# KiCad board srvant-mk2.kicad_pcb (continued)
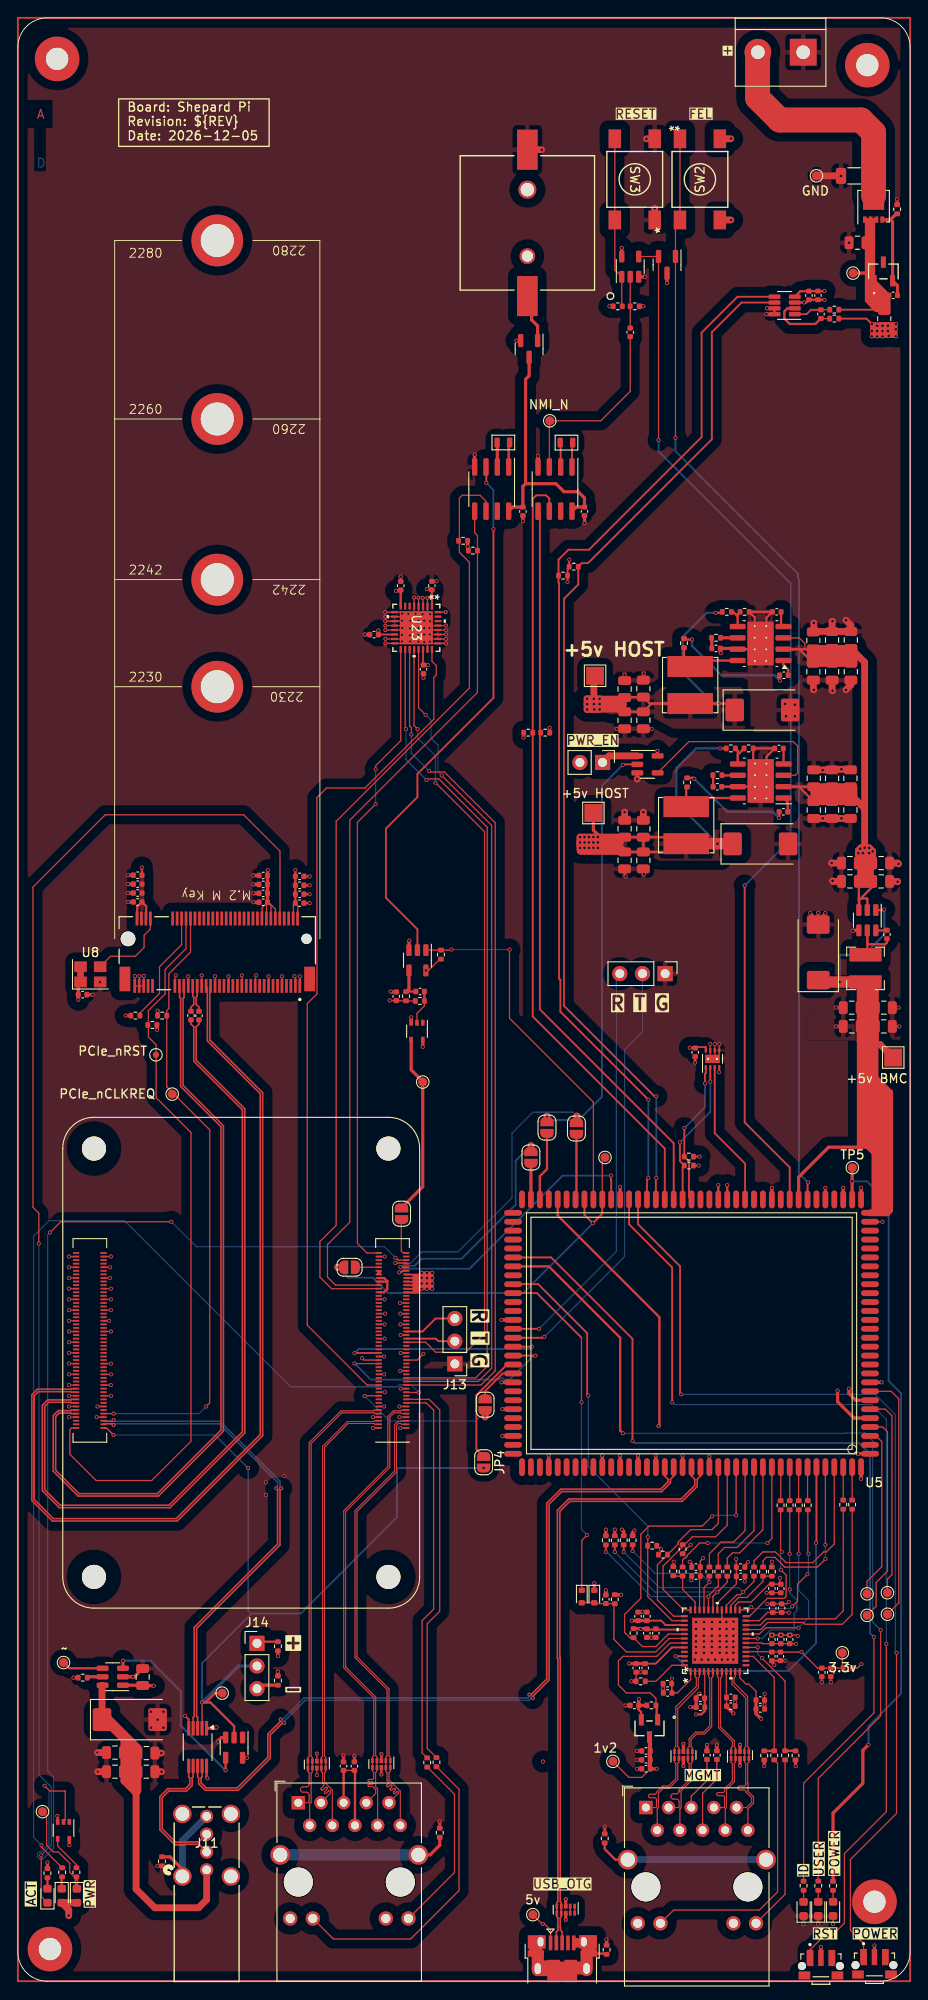
[diagram p0: board, top side]
## Routing (per net, layer and track width the routed paths; a pad name or vN(x,y) marks a point on that pad's centre or on a via; arc(x,y) is an arc through that point) (continued)
/BMC ethernet/CLK125_EN: length 14.8
  Top w0.13: U12.33 76.9,44.1 v1(77.5,44.7) R37.2
  Top w0.199: v1(68.9,48.2) 68.9,48.89
  Bottom w0.13: v1(77.5,44.7) 76.5,45.7 71.4,45.7 v1(68.9,48.2)
/BMC ethernet/LDO_OUT: length 18.4
  Top w0.13: 71.8,29.2 MOSFET1.1 ; U12.43 73.1,37.9 71.6,36.4 67.81,36.4 67.3,35.89 67.3,33.2 68.2,32.3 70.9,32.3 71.51,31.69 R79.2
  Top w0.25: MOSFET1.1 71.6,29.4 71.6,30.81 R79.2
/BMC ethernet/MODE0: length 18.6
  Top w0.13: U12.32 v1(77.4,43.1) 77.4,43.2 78.5,44.3 R38.2
  Top w0.199: v1(65.9,48.1) R30.2
  Bottom w0.13: v1(65.9,48.1) 66,48.1 71,43.1 v1(77.4,43.1)
/BMC ethernet/MODE1: length 19.2
  Top w0.13: 78.6,43.8 79.5,44.7 R39.2 79.5,45.12 ; 78.6,43.8 77.9,43.1 U12.31 ; 78.6,43.8 v1(78.4,43.6)
  Top w0.199: v1(66.9,48.1) R34.2
  Bottom w0.13: v1(66.9,48.1) 71.4,43.6 v1(78.4,43.6)
/BMC ethernet/MODE2: length 21.5
  Top w0.13: U12.28 79.4,42.11 80.59,43.3 81,43.3 82.5,44.8 R40.2
  Top w0.199: R42.2 v1(67.9,48.1)
  Bottom w0.13: 68,48.2 v1(67.9,48.1) 71.9,44.1 80.8,44.1 v1(81.3,43.6)
/BMC ethernet/MODE3: length 6.8
  Top w0.13: U12.27 79.9,42.11 80.79,43 81.7,43 83.52,44.82 R41.2 R50.1
/BMC ethernet/PHY_LED_ACT / PHYAD0: length 15.3
  Top w0.13: v1(83.4,36.2) 85.98,33.62 R17.2 ; U12.17 v1(82.9,37.4) ; 87.14,25.82 R51.2
  Top w0.25: R17.2 87.14,25.82
  Bottom w0.13: v1(82.9,37.4) 82.9,36.7 v1(83.4,36.2)
/BMC ethernet/PHY_LED_LINK / PHYAD1: length 13.5
  Top w0.13: 84.75,25.8 R15.2 84.77,34.03 82.4,36.4 U12.15
  Top w0.25: R44.2 84.75,25.8
/BMC ethernet/PHY_RESET_N: length 16.9
  Top w0.13: D6.2 D5.2 64.7,42.3 66.89,42.3 66.8,42.21 66.8,38.3 68.2,36.9 71.5,36.9 73,38.4 U12.42
/BMC ethernet/PHYAD2: length 5.7
  Top w0.13: R33.1 73.5,45.39 R36.2 ; R36.2 74.5,43.9 75.9,42.5 U12.35 ; R36.2 74.5,45.1
/BMC ethernet/TXRXA_N: length 20.2
  Top w0.116: J5.2 71.66,19.31 71.79,19.44 71.79,21.07 72.36,21.65 72.99,21.65 73.95,22.6 73.95,24.41 74.09,24.55 U11.9 74.09,26.15 73.95,26.29 73.95,30.55 76.26,32.86 76.26,33.99 76.4,34.13 U12.3
/BMC ethernet/TXRXA_P: length 20.2
  Top w0.116: U12.2 75.9,34.13 76.04,33.99 76.04,33.04 73.73,30.73 73.73,26.29 73.59,26.15 U11.10 73.59,24.55 73.73,24.41 73.73,22.69 72.9,21.86 72.27,21.86 71.57,21.17 71.57,21.16 arc(71.51,21.02) 71.37,20.96 70.87,20.96 arc(70.73,20.9) 70.67,20.76 arc(70.73,20.62) 70.87,20.56 71.37,20.56 arc(71.51,20.5) 71.57,20.36 71.57,19.53 71.5,19.46 J5.1
/BMC ethernet/TXRXB_N: length 20
  Top w0.116: J5.4 74.19,19.31 74.33,19.44 74.33,21.33 75.45,22.45 75.45,24.41 75.59,24.55 U11.6 75.59,26.15 75.45,26.29 75.45,27.09 76.05,27.69 76.95,27.69 77.76,28.5 77.76,33.99 77.9,34.13 U12.6
/BMC ethernet/TXRXB_P: length 20
  Top w0.116: 74.11,21.42 75.23,22.54 75.23,24.41 75.09,24.55 U11.7 75.09,26.15 75.23,26.29 75.23,27.19 75.95,27.91 76.85,27.91 77.54,28.59 77.54,33.99 77.4,34.13 U12.5 ; 74.11,21.42 74.11,21.3 arc(74.02,21.09) 73.81,21 73.47,21 arc(73.26,20.92) 73.17,20.7 arc(73.26,20.49) 73.47,20.4 73.81,20.4 arc(74.02,20.32) 74.11,20.1 74.11,19.53 74.04,19.46 J5.3 ; 74.11,21.42 74.11,21.25
/BMC ethernet/TXRXC_N: length 19
  Top w0.116: J5.8 79.28,19.31 79.41,19.44 79.41,21.46 80.3,22.34 80.3,23.36 80.29,23.37 80.29,24.4 80.43,24.54 U10.2 U10.9 80.43,26.14 80.29,26.28 80.29,26.97 78.76,28.5 78.76,33.99 78.9,34.13 U12.8
/BMC ethernet/TXRXC_P: length 19
  Top w0.116: J5.7 79.12,19.46 79.19,19.53 79.19,20.61 arc(79.14,20.74) 79.01,20.79 78.49,20.79 arc(78.37,20.84) 78.31,20.96 arc(78.37,21.09) 78.49,21.14 79.01,21.14 arc(79.14,21.19) 79.19,21.31 79.19,21.55 80.08,22.44 80.08,23.28 80.07,23.29 80.07,24.4 79.93,24.54 U10.1 U10.10 79.93,26.14 80.07,26.28 80.07,26.87 78.54,28.41 78.54,33.99 78.4,34.13 U12.7
/BMC ethernet/TXRXD_N: length 19.1
  Top w0.116: J5.10 81.81,19.31 82.45,19.95 82.45,20.66 81.82,21.29 81.82,22.22 81.79,22.25 81.79,24.4 81.93,24.54 U10.5 U10.6 81.93,26.14 81.79,26.28 81.79,31.91 80.26,33.44 80.26,33.99 80.4,34.13 U12.11
/BMC ethernet/TXRXD_P: length 19.1
  Top w0.116: U12.10 79.9,34.13 80.04,33.99 80.04,33.26 81.57,31.73 81.57,26.28 81.43,26.14 U10.7 U10.4 81.43,24.54 81.57,24.4 81.57,22.17 81.6,22.14 81.6,22.1 arc(81.54,21.94) 81.38,21.88 80.91,21.88 arc(80.75,21.81) 80.68,21.65 arc(80.75,21.49) 80.91,21.43 81.38,21.43 arc(81.54,21.36) 81.6,21.2 82.24,20.57 82.24,20.04 81.66,19.46 80.54,19.46
/bmc/BMC_DEBUG_RX: length 46.5
  Top w0.199: U5.81 v1(58.4,73.1)
  Bottom w0.13: J3.3 67.08,112.52 67.08,81.78 v1(58.4,73.1)
/bmc/BMC_DEBUG_TX: length 48.8
  Top w0.199: U5.82 58.9,72.1 v1(59,72.2)
  Bottom w0.13: J3.2 70,106.4 67.99,104.39 67.99,81.19 v1(59,72.2)
/bmc/BMC_HOST_BT_nDis: length 31.8
  Top w0.199: U5.57 66.5,89.73 66.47,89.76 v1(66.47,90.27) ; Module1.89 43.12,79.6 42.94,79.43 v1(42.72,79.43)
  Bottom w0.199: v1(42.72,79.43) 42.94,79.43 43.35,79.83 50.61,79.83 61.04,90.27 v1(66.47,90.27)
/bmc/BMC_HOST_EEPROM_nWP: length 17.3
  Top w0.13: Module1.20 38.89,65.6 v1(38.86,65.57) ; v1(52.35,63.25) 52.37,63.23
  Top w0.76: 52.37,63.23 JP2.2
  Bottom w0.13: 51.78,63.25 51.7,63.25 ; 51.78,63.25 51.31,62.78 41.65,62.78 v1(38.86,65.57) ; 51.78,63.25 v1(52.35,63.25)
/bmc/BMC_HOST_nRPIBOOT: length 33.8
  Top w0.13: v1(42.3,80.48) 43.45,80.48 Module1.93 ; 62.66,96.26 JP3.2
  Top w0.76: v1(62.66,96.95) 62.66,96.26
  Bottom w0.13: v1(42.3,80.48) 44.02,80.48 45.27,81.73 49.32,81.73 55.38,87.79 55.38,95.01 57.75,97.38 62.23,97.38 v1(62.66,96.95)
/bmc/BMC_HOST_POST_COMPLETE: length 44.7
  Top w0.13: U5.58 65.5,92 TP21.1
  Top w0.199: U5.58 65.5,86 v1(64.44,84.93) 63.5,85.87 U5.60
  Top w0.76: v1(35.83,80) JP7.2
  Bottom w0.199: v1(35.83,80) 37,78.83 39.77,78.83 41.48,77.12 56.62,77.12 v1(64.44,84.93)
/bmc/BMC_HOST_POWER_BUTTON: length 112.4
  Top w0.13: v1(98.47,36.8) 98.47,18.8 93.3,13.64 93.3,5.7 94.78,4.23 94.78,2.7
  Top w0.199: U5.54 69.5,84.82 74.22,80.11 74.22,65.88 v1(74.34,65.76)
  Bottom w0.13: v1(98.47,36.8) 98.34,36.93 98.34,63.47 96.06,65.76 v1(74.34,65.76)
/bmc/BMC_HOST_POWER_OUT: length 41.3
  Top w0.13: v1(55.1,115.6) 55.1,107.9 64.5,98.5 U5.59 ; v1(48.6,115.6) 48.54,115.54 U24.1
  Bottom w0.13: v1(55.1,115.6) v1(48.6,115.6)
/bmc/BMC_HOST_RESET_BUTTON: length 113.9
  Top w0.13: v1(97.33,37.82) 97.33,19 92.63,14.3 92.63,6.5 91.13,5 90.26,5 88.78,3.52 88.78,2.6
  Top w0.199: U5.55 68.5,84.81 73.33,79.98 v1(73.33,64.87)
  Bottom w0.13: v1(97.33,37.82) 97.33,62.96 95.68,64.61 73.58,64.61 v1(73.33,64.87)
/bmc/BMC_HOST_WL_nDis: length 24.5
  Top w0.199: v1(42.88,80) Module1.91
  Top w0.76: v1(57.5,93.65) JP6.2
  Bottom w0.199: v1(57.5,93.65) 55.8,91.95 55.8,87.03 49.72,80.95 45.25,80.95 44.46,80.16 43.04,80.16 v1(42.88,80)
/bmc/BMC_I2C_2_SCK: length 88.2
  Top w0.199: U6.6 59.56,166.14 59.2,166.5 58.1,166.5 57.7,166.1 57.7,108.1 72.5,93.3 U5.51
/bmc/BMC_I2C_2_SDA: length 83.4
  Top w0.199: U6.5 58.5,164.52 58.5,108.9 73.5,93.9 U5.50
/bmc/BMC_I2C_3_SCK: length 16.5
  Top w0.199: v1(77.6,100.8) U22.2 ; v1(74.2,94) 74.2,91.89 R71.1 74.5,91.21 U5.49
  Bottom w0.199: v1(74.2,94) 77.6,97.4 v1(77.6,100.8)
/bmc/BMC_I2C_3_SDA: length 16.1
  Top w0.13: 77.1,102.4 U22.1
  Top w0.199: v1(74.7,95.6) 74.69,95.59 R72.1 75.21,91.88 75.21,87.89 U5.48 ; U22.1 77.1,101.75 77,101.65 v1(77,100.6)
  Bottom w0.199: v1(77,100.6) 77,97.9 v1(74.7,95.6)
/bmc/BMC_ID_LED: length 107.1
  Top w0.13: 95.94,38.57 95.94,30.07 88.06,22.19 R14.2
  Top w0.199: 95.94,38.57 v1(95.93,38.58) ; U5.73 59.76,81.1 68.88,71.98 v1(68.88,60.55)
  Bottom w0.199: v1(95.93,38.58) 95.51,39 95.51,59.07 94.28,60.3 69.13,60.3 v1(68.88,60.55)
/bmc/BMC_TEMP_ALERT: length 16.2
  Top w0.199: U22.3 78.1,95.02 81.5,91.62 U5.42
/bmc/BMC_UART0_RX: length 56.7
  Top w0.199: J13.3 46.8,74.26 45.35,72.8 Module1.55
  Top w0.35: U5.7 93.9,65.1 93.14,65.86 v1(93.14,66.39)
  In2.Cu (pwr+signal) w0.35: J13.3 49.58,73.65 85.88,73.65 v1(93.14,66.39)
/bmc/BMC_UART0_TX: length 56.4
  Top w0.199: Module1.51 46.85,72 47.13,71.72 J13.2
  Top w0.35: v1(91.87,66.18) 91.87,64.93 93.7,63.1 U5.5
  In2.Cu (pwr+signal) w0.35: J13.2 86.33,71.72 v1(91.87,66.18)
/bmc/BMC_UART1_RX: length 47.2
  Top w0.13: v1(45.45,70.3) 44.75,69.6 Module1.39
  Top w0.25: v1(79.5,89.2) U5.44
  In2.Cu (pwr+signal) w0.25: v1(45.45,70.3) 45.45,72.93 52.12,79.6 69.9,79.6 v1(79.5,89.2)
/bmc/BMC_UART1_TX: length 53.3
  Top w0.13: Module1.40 38.78,69.6 v1(38.57,69.81)
  Top w0.25: v1(78.5,89.2) U5.45
  In2.Cu (pwr+signal) w0.25: v1(38.57,69.81) 38.86,69.52 43.22,69.52 44.77,71.08 44.77,73.7 51.38,80.3 69.6,80.3 v1(78.5,89.2)
/bmc/BMC_USB_HOST_N: length 84.7
  Top w0.17: U15.8 20.15,22.9 20.26,22.78 20.26,22.12 20.99,21.39 24.7,21.39 28.28,24.97 28.28,27.57 29.64,28.93 v2(29.84,28.93) ; U5.113 73.5,56.6 73.14,56.24 73.14,55.84 72.16,54.86 60.96,54.86 59.54,53.44 59.54,33.74 57.71,31.92 v2(57.71,31.72)
  Bottom w0.17: v2(29.84,28.93) 29.84,29.13 32.17,31.46 57.26,31.46 57.52,31.72 v2(57.71,31.72)
/bmc/BMC_USB_HOST_P: length 83.8
  Top w0.17: U15.9 20.65,22.9 20.53,22.78 20.53,22.24 21.1,21.67 24.59,21.67 28.01,25.09 28.01,27.69 29.45,29.13 v2(29.45,29.33) ; v2(57.32,32.11) 57.52,32.11 59.26,33.85 59.26,53.56 60.84,55.14 72.04,55.14 72.86,55.96 72.86,56.24 72.5,56.6 U5.112
  Bottom w0.17: v2(57.32,32.11) 57.32,31.91 57.15,31.74 32.06,31.74 29.65,29.33 v2(29.45,29.33)
/bmc/BMC_USB_OTG_N: length 67.4
  Top w0.17: U5.115 75.5,56.6 75.86,56.24 75.86,55.56 74.34,54.04 61.74,54.04 60.46,52.76 60.46,36.19 60.52,36.14 60.52,8.93 60.4,8.81 U7.5 U7.6 60.4,7.22 60.52,7.1 60.52,6.01 60.54,5.98 60.54,5.72 60.35,5.53 J4.2
/bmc/BMC_USB_OTG_P: length 67.4
  Top w0.17: J4.3 61,5.53 60.81,5.72 60.81,6.09 60.79,6.11 60.79,7.1 60.9,7.22 U7.7 U7.4 60.9,8.81 60.79,8.93 60.79,36.25 60.74,36.3 60.74,52.64 61.86,53.76 74.46,53.76 76.14,55.44 76.14,56.24 76.5,56.6 U5.116
/bmc/BMC_USER_LED: length 107.1
  Top w0.13: v1(96.69,39.34) 96.69,29.72 89.7,22.73 R13.2
  Top w0.25: U5.74 59.5,80.1 67.5,72.1 67.5,61.7 v1(67.8,61.4)
  Bottom w0.13: v1(67.8,61.4) 92.84,61.4 92.88,61.44 94.92,61.44 95.8,60.55 95.8,40.23 v1(96.69,39.34)
/bmc/EMMC_KEY: length 125.2
  Top w0.13: SW2.2 SW2.1 73.7,196.85 D9.1 v1(73.7,172.95)
  Top w0.199: v1(88.57,89.51) 88.5,89.44 U5.35
  Bottom w0.199: v1(88.57,89.51) 87.53,90.54 87.53,157.09 87.42,157.2 87.42,157.71 73.7,171.43 v1(73.7,172.95)
/bmc/JTAG_CK: length 28.5
  Top w0.13: 97.46,41.37 TP13.1 98.73,42.39 98.73,65.25 97.88,66.1 U5.8
/bmc/JTAG_DI: length 23.7
  Top w0.13: TP8.1 96.19,42.01 96.19,44.68 97.46,45.95 97.46,61.57 96.92,62.1 U5.4
/bmc/JTAG_DO: length 22.8
  Top w0.13: TP9.1 97.46,45.06 97.96,45.56 97.96,63.34 97.21,64.1 U5.6
/bmc/JTAG_MS: length 19.3
  Top w0.13: TP7.1 95.17,44.8 96.82,46.45 96.82,60.45 96.17,61.1 U5.3
/bmc/NMI_N: length 21.7
  Top w0.13: C37.2 68.63,178.15 65.32,174.85 TP19.1 59.56,174.81 U6.3
/bmc/RST_KEY: length 118.3
  Top w0.13: v1(71.8,172.69) D9.2 71.8,193.26 U25.4
  Top w0.199: v1(81.45,122.78) 81.45,96.24 86.5,91.19 U5.37
  Bottom w0.199: v1(81.45,122.78) 86.63,127.95 86.63,156.6 71.8,171.42 v1(71.8,172.69)
/cm4/+BATT: length 28.8
  Top w0.13: 54.98,164.7 U17.8 ; 62.1,164.72 U6.8
  Top w0.35: U17.8 55.46,165.18 C88.1 56.6,167.5 56.9,167.8 ; D2.3 57.3,179.9 56.9,179.5 56.9,167.8 ; U6.8 62.56,165.18 C32.2 63.5,166.2 62.8,166.9 61.2,166.9 60.3,167.8 56.9,167.8
/cm4/ETH_LEDG: length 44.2
  Top w0.13: Module1.17 46.1,65.2 47.27,64.03 47.27,41.45 45.88,40.05 45.88,26.09 R66.2
/cm4/ETH_LEDY: length 43.1
  Top w0.13: R67.2 45.3,25.59 45.3,40.4 46.6,41.7 46.6,63.98 45.77,64.8 Module1.15
/cm4/GLOBAL_EN: length 20.4
  Top w0.35: JP1.1 45.38,89.03 45.38,100.83 44.08,102.12 U21.4
/cm4/GPIO10: length 25
  Top w0.199: v1(37.73,70.38) 37.75,70.4 Module1.44 ; U5.83 v1(57.6,71.1)
  Bottom w0.199: v1(37.73,70.38) 38.19,70.84 57.34,70.84 v1(57.6,71.1)
/cm4/GPIO11: length 27.5
  Top w0.13: Module1.38 37.75,69.2 v1(37.73,69.22)
  Top w0.199: U5.84 v1(58,70.1)
  Bottom w0.199: v1(37.73,69.22) 39.54,67.41 53.86,67.41 54.01,67.55 54.39,67.55 54.54,67.41 55.11,67.41 57.8,70.1 v1(58,70.1)
/cm4/HDMI0_SCL: length 0
  Top w0.13: Module1.200 6.51,81.62
/cm4/HOST_SCL0: length 106.3
  Top w0.13: U17.6 52.47,165.84 51.8,166.5 49.8,166.5 49.48,166.18 49.48,160.12 50.6,159 50.6,144.9 35.67,129.98 35.67,84.7 33.85,82.88 33.85,78.9 35.15,77.6 Module1.80
/cm4/HOST_SDA0: length 99
  Top w0.13: U17.5 51.19,162.31 51.51,161.99 R76.2 51.51,144.71 51.5,144.7 51.5,144.4 37.2,130.1 37.2,85.05 34.7,82.55 34.7,78.9 35.6,78 Module1.82
/cm4/HOST_SPI1_CE0_N: length 90
  Top w0.13: v1(46.8,134.3) 52.3,128.8 52.3,72.6 50.17,70.48 46.83,70.48 45.7,71.6 Module1.49 ; U23.20 44.41,147.8 44.4,147.79 44.4,140.7 v1(44.8,140.3)
  Bottom w0.13: v1(44.8,140.3) 44.8,139.3 46.8,137.3 v1(46.8,134.3)
/cm4/HOST_SPI1_MISO: length 95.2
  Top w0.13: U23.24 46.41,147.9 46.9,147.41 46.9,146.38 46.62,146.1 46.62,141.42 38.9,133.7 34.59,133.7 33.52,132.63 33.52,110.63 32.43,109.54 32.43,73.5 39.14,66.8 Module1.26
/cm4/HOST_SPI1_MOSI: length 94.1
  Top w0.13: v1(45.7,141.9) 44.91,142.69 U23.21 ; Module1.27 51.6,67.2 53.1,68.7 53.1,129.5 v1(47.5,135.1)
  Bottom w0.13: v1(47.5,135.1) 47.1,135.5 47.1,138.5 46.3,139.3 46.3,141.3 v1(45.7,141.9)
/cm4/HOST_SPI1_SCLK: length 96.4
  Top w0.13: v1(46.1,135.6) 46.21,135.49 47.81,135.49 53.5,129.8 53.5,68.4 51.9,66.8 Module1.25 ; U23.19 43.91,140.64 44.1,140.45 v1(44.1,139.7)
  Bottom w0.13: v1(44.1,139.7) 44.1,137.6 v1(46.1,135.6)
/cm4/HOST_TPM_PIRQ#: length 94.7
  Top w0.13: Module1.29 51.3,67.6 52.6,68.9 52.6,129.3 47.18,134.72 45.92,134.72 v1(45.8,134.6) ; U23.18 43.41,140.39 v1(43.5,140.3)
  Bottom w0.13: v1(45.8,134.6) 43.5,136.9 v1(43.5,140.3)
/cm4/nEXTRST: length 71.4
  Top w0.13: v1(40.1,135.8) 40.1,136.2 42.91,139.01 U23.17 ; Module1.100 39.12,81.6 38.05,82.68 38.05,129.85 v1(40.1,131.9)
  Bottom w0.13: v1(40.1,131.9) v1(40.1,135.8)
/cm4/nOCS1: length 4.6
  Top w0.25: 5.17,35.71 5.82,35.06 U14.4
/cm4/nPWR_LED: length 129
  Top w0.13: 5.31,21.31 5.31,18.05 5.12,17.86 ; 5.31,21.31 3.59,21.31 v1(3,21.9) ; 5.31,21.31 5.28,21.28 ; v1(17.2,85.1) 4.8,85.1 v1(3.6,83.9) ; Module1.95 42.58,80.8 42.33,81.05
  Bottom w0.13: v1(3.6,83.9) 3.34,83.64 3.34,23.56 4,22.9 4,14.89 2.79,13.69 2.44,13.69 2.2,13.93 2.2,14.28 2.44,14.53 2.67,14.53 3.48,15.33 3.48,21.42 v1(3,21.9) ; v1(17.2,85.1) 20,82.3 41.08,82.3 v1(42.33,81.05)
/cm4/nRTC_INT: length 60.9
  Top w0.199: U24.2 44.78,117.87 41.25,121.4 41.25,129.15 44.78,132.68 44.78,135.28 53.3,143.8 v1(53.3,162.7) ; v1(52.5,167.9) 52.5,169.64 U17.3
  Bottom w0.199: v1(52.5,167.9) 53.3,167.1 v1(53.3,162.7)
/cm4/PCIE_CLK_N: length 84
  Top w0.17: Module1.112 6,64 5.94,63.94 4.52,63.94 3.96,63.38 3.96,57.14 6.74,54.36 15.76,54.36 23.04,61.64 23.04,95.86 18.51,100.38 18.51,110.14 18.63,110.25 18.63,111.42
/cm4/PCIE_CLK_nREQ: length 82.5
  Top w0.13: J8.52 18.85,115.7 16.5,113.35 16.5,110.63 14.62,108.75 14.62,105.8 15.5,104.93 15.5,99 19.4,95.1 19.4,60.5 15,56.1 8.77,56.1 5.83,59.05 5.83,61.8 6.03,62 Module1.102
/cm4/PCIE_CLK_P: length 82.6
  Top w0.17: Module1.110 6,63.6 5.94,63.66 4.63,63.66 4.24,63.27 4.24,57.26 6.86,54.64 15.64,54.64 22.76,61.76 22.76,95.74 18.24,100.27 18.24,110.14 18.13,110.25 18.13,111.42
/cm4/PCIE_nRST: length 69.8
  Top w0.13: Module1.109 v1(10.73,63.6) ; J8.50 19.35,115.3 16.92,112.88 16.92,109 16.69,108.76 R56.1 16.69,100.22 21.5,95.4 21.5,64.8 v1(21.1,64.4)
  Bottom w0.13: v1(21.1,64.4) 20.3,63.6 v1(10.73,63.6)
/cm4/PCIE_RX_N: length 89.3
  Top w0.17: Module1.118 6,65.2 5.94,65.14 3.34,65.14 2.74,64.53 2.74,54.97 4.64,53.06 17.06,53.06 25.44,61.44 25.44,97.76 19.99,103.21 19.99,106.94 20.3,107.25 C68.1
/cm4/PCIE_RX_P: length 87.9
  Top w0.17: C67.1 19.4,107.25 19.71,106.94 19.71,103.09 25.16,97.64 25.16,61.56 16.94,53.34 4.76,53.34 3.01,55.08 3.01,64.42 3.46,64.86 5.94,64.86 6,64.8 Module1.116
/cm4/PCIE_TX_N: length 100.7
  Top w0.17: Module1.124 6,66.4 5.94,66.34 2.19,66.34 1.56,65.71 1.56,53.87 3.87,51.56 17.86,51.56 27.44,61.14 27.44,99.56 21.51,105.48 21.51,111.3 21.63,111.42
/cm4/PCIE_TX_P: length 99.3
  Top w0.17: 21.13,111.42 21.24,111.3 21.24,105.37 27.16,99.44 27.16,61.26 17.74,51.84 3.98,51.84 1.84,53.98 1.84,65.59 2.31,66.06 5.94,66.06 6,66 Module1.122
/cm4/PCIE_WAKE: length 12.8
  Top w0.13: R68.1 13.69,108.49 15.88,110.68 15.88,113.68 18.35,116.15 J8.54
/cm4/PET0_N: length 3.1
  Top w0.17: 19.99,109.43 19.99,110.25 20.1,110.36 J8.47 ; 19.99,109.46 20.3,109.15 C68.2
/cm4/PET0_P: length 3.1
  Top w0.17: 19.71,109.46 19.4,109.15 C67.2 ; J8.49 19.6,110.36 19.71,110.25 19.71,109.43
/cm4/TRD0_N: length 52
  Top w0.116: Module1.10 40.02,63.6 39.93,63.69 36.3,63.69 32.87,60.26 32.87,25.21 33.01,25.07 U20.4 U20.7 33.01,23.48 32.87,23.34 32.87,20.01 32.7,19.85 J9.2
/cm4/TRD0_P: length 52.4
  Top w0.116: J9.1 32.55,20 32.65,20.1 32.65,20.88 arc(32.56,21.09) 32.35,21.18 31.97,21.18 arc(31.76,21.26) 31.67,21.48 arc(31.76,21.69) 31.97,21.78 32.35,21.78 arc(32.56,21.86) 32.65,22.08 32.65,23.34 32.51,23.48 U20.6 U20.5 32.51,25.07 32.65,25.21 32.65,60.35 36.2,63.91 39.83,63.91 39.92,64 Module1.12
/cm4/TRD1_N: length 50.4
  Top w0.116: Module1.6 40.02,62.8 39.93,62.71 36.93,62.71 34.15,59.93 34.15,25.21 34.01,25.07 U20.2 U20.9 34.01,23.48 34.15,23.34 34.15,22.21 34.27,22.08 arc(34.31,21.99) 34.27,21.9 34.01,21.63 arc(33.97,21.54) 34.01,21.44 arc(34.1,21.4) 34.2,21.44 34.46,21.71 arc(34.55,21.75) 34.65,21.71 arc(34.69,21.61) 34.65,21.52 34.38,21.25 arc(34.34,21.16) 34.38,21.07 arc(34.48,21.03) 34.57,21.07 34.84,21.33 arc(34.93,21.37) 35.02,21.33 35.02,21.05 J9.3
/cm4/TRD1_P: length 50.1
  Top w0.116: J9.4 35.24,21.42 34.37,22.3 34.37,23.34 34.51,23.48 U20.10 U20.1 34.51,25.07 34.37,25.21 34.37,59.84 37.02,62.49 39.93,62.49 40.02,62.4 Module1.4
/cm4/TRD2_N: length 51.5
  Top w0.116: J9.8 40.32,21.55 40.1,21.77 40.1,23.39 40.24,23.53 U19.7 U19.4 40.24,25.12 40.1,25.26 40.1,31.86 36.73,35.22 36.73,52.63 41.68,57.58 41.68,63.2 42.17,63.69 42.91,63.69 43,63.6 Module1.9
/cm4/TRD2_P: length 51.8
  Top w0.116: J9.7 40.1,21.05 40.1,21.46 39.88,21.68 arc(39.84,21.78) 39.75,21.81 39.37,21.81 arc(39.28,21.85) 39.24,21.95 arc(39.28,22.04) 39.37,22.08 39.75,22.08 arc(39.84,22.12) 39.88,22.21 arc(39.84,22.31) 39.75,22.35 39.37,22.35 arc(39.28,22.39) 39.24,22.48 arc(39.28,22.57) 39.37,22.61 39.75,22.61 arc(39.84,22.65) 39.88,22.75 39.88,23.39 39.74,23.53 U19.6 U19.5 39.74,25.12 39.88,25.26 39.88,31.77 36.52,35.13 36.52,52.72 41.47,57.67 41.47,63.3 42.08,63.91 42.91,63.91 43,64 Module1.11
/cm4/TRD3_N: length 50.4
  Top w0.116: Module1.5 43,62.8 42.91,62.71 42.55,62.71 42.22,62.37 42.22,57.15 37.79,52.72 37.79,36.25 41.38,32.67 41.38,25.26 41.24,25.12 U19.2 U19.9 41.24,23.53 41.38,23.39 41.38,22.47 41.52,22.33 arc(41.55,22.24) 41.52,22.14 41.38,22 arc(41.34,21.91) 41.38,21.82 arc(41.47,21.78) 41.56,21.82 41.7,21.96 arc(41.8,22) 41.89,21.96 arc(41.93,21.86) 41.89,21.77 41.75,21.63 arc(41.71,21.53) 41.75,21.44 arc(41.85,21.4) 41.94,21.44 42.08,21.58 arc(42.17,21.62) 42.27,21.58 arc(42.31,21.49) 42.27,21.39 42.13,21.25 arc(42.09,21.16) 42.13,21.06 arc(42.22,21.02) 42.32,21.06 42.46,21.2 arc(42.55,21.24) 42.64,21.2 42.64,21.05 J9.9
/cm4/TRD3_P: length 50
  Top w0.116: J9.10 42.86,21.29 41.6,22.56 41.6,23.39 41.74,23.53 U19.10 U19.1 41.74,25.12 41.6,25.26 41.6,32.76 38.01,36.35 38.01,52.63 42.43,57.05 42.43,62.28 42.65,62.49 42.91,62.49 43,62.4 Module1.3
/cm4/USB2_N: length 53.9
  Top w0.17: v2(28.96,55.24) 29.1,55.1 29.1,48.99 19.76,39.64 19.76,29.68 19.65,29.56 U15.4 ; v2(10.73,62.32) 10.59,62.46 9.67,62.46 Module1.103
  Bottom w0.17: v2(10.73,62.32) 10.87,62.46 22.54,62.46 29.1,55.9 29.1,55.38 v2(28.96,55.24)
/cm4/USB2_P: length 54.4
  Top w0.17: v2(29.52,55.24) 29.38,55.1 29.38,48.87 20.03,39.53 20.03,29.68 20.15,29.56 U15.3 ; v2(10.73,62.88) 10.59,62.74 9.67,62.74 Module1.105
  Bottom w0.17: v2(29.52,55.24) 29.38,55.38 29.38,56.02 22.66,62.74 10.87,62.74 v2(10.73,62.88)
/cm4/USB_OUT_N: length 16.1
  Top w0.17: U15.6 19.15,22.9 19.26,22.78 19.26,22.05 18.79,21.58 16.8,21.58 15.91,20.69 15.91,16.97 17.59,15.29 18.75,15.29 18.79,15.34 20.3,15.34 J11.2
/cm4/USB_OUT_P: length 15.6
  Top w0.17: J11.3 20.3,15.61 18.69,15.61 18.65,15.57 17.7,15.57 16.18,17.09 16.18,20.57 16.92,21.31 18.9,21.31 19.53,21.94 19.53,22.78 19.65,22.9 U15.7
/cm4/USBOTG_ID: length 101.8
  Top w0.13: v2(20.65,31.23) U15.2
  Top w0.15: Module1.101 9.93,62 v2(10.73,61.2)
  Top w0.25: U13.2 24.23,28.59 21.59,31.23 21.05,31.23 ; 21.05,31.23 v2(20.65,31.23) ; 21.05,31.23 22.1,32.28 TP22.1
  Bottom w0.15: v2(10.73,61.2) 22.1,61.2 v2(25.8,57.5) 25.8,41.48 26.14,41.14
  Bottom w0.199: v2(20.65,31.23) 20.65,35.65 26.21,41.21 31.71,41.21 42.5,52 42.5,57.5 v1(52.2,57.5)
  Bottom w0.35: v2(20.65,31.23) 24.74,35.32 J14.2
/power/BMC_HOST_POWER_EN: length 48.1
  Top w0.199: v1(67.8,136.3) 67.85,136.35 U3.2
  Top w0.76: v1(59.3,96.96) JP5.2
  Bottom w0.199: v1(59.3,96.96) 59.3,97.09 59.89,96.5 62.85,96.5 65.46,99.11 65.46,133.96 v1(67.8,136.3)
/power/BMC_I2C_0_SCK: length 119.3
  Top w0.199: 60.65,112.35 60.65,156.65 60.59,156.71 R9.2 60.59,159.29 61.7,160.4 64,160.4 76.63,173.03 76.63,184.73 80.65,188.75 U4.5 ; 60.65,112.35 60.8,112.2 60.8,108.64 v1(70.66,98.78) ; 60.65,112.35 60.7,112.3 ; U5.53 70.5,89.86 v1(70.66,90.01)
  Bottom w0.199: v1(70.66,90.01) v1(70.66,98.78)
/power/BMC_I2C_0_SDA: length 117.3
  Top w0.199: U5.52 71.5,89.97 v1(71.55,90.01) ; v1(71.55,99.16) 71.34,99.16 61.2,109.3 61.2,154.9 62.81,156.51 R10.2 62.81,158.51 63.2,158.9 63.9,158.9 77.77,172.77 77.77,184.77 81.1,188.1 U4.6
  Bottom w0.199: v1(71.55,90.01) v1(71.55,99.16)
/power/PSU_EN: length 22.1
  Top w0.13: U3.4 75.2,138.9 86.9,138.9 87.4,138.4 87.4,135.4 87.12,135.12 U2.3
/power/SENSE_IN+: length 83.3
  Top w0.199: R2.1 97.01,187.3 R7.1
  Top w0.25: D1.1 95.57,190.94 ; D1.1 96.3,190.21 96.3,187.5 ; D1.1 97.3,189.21 97.3,186.95 ; D1.1 97.5,189.01 97.5,186.95 ; 96.9,189.56 96.9,186.85 ; 96.2,187.35 96.2,190.06 ; 96.5,189.96 96.5,187.25 ; 96.7,189.76 96.7,187.05 ; 97.1,186.95 97.1,189.41 96.21,190.31
  Top w0.35: 95.4,191.4 TP1.1 ; 95.4,191.4 95.4,188 95.97,187.43 ; 95.4,191.4 95.4,196.92 95.1,197.22 ; 95.4,191.4 95.5,191.5 95.57,191.5 ; 95.97,187.43 95.7,187.7 95.7,191.4 95.4,191.7 ; 95.97,187.43 96.19,187.21 ; 95.97,187.43 D1.1 97.61,188.9 C2.1 97.62,187.48 ; 96.19,187.21 95.1,188.3 95.1,191.4 ; 96.19,187.21 R2.1 97.21,187.1 ; 95.57,191.5 Q1.2 ; 95.57,191.5 95.57,190.94 95.1,191.41 95.1,197.22 ; 95.1,197.22 Q1.1 Q1.3 95.9,197.07 95.9,190.07
/power/SENSE_IN-: length 158.3
  Top w0.13: 88.2,149.25 88.2,149.9 87.58,150.52 U26.3 ; 96.1,185.39 98.11,185.39 v1(98.4,185.1) ; v1(95.7,184.9) 96.19,185.39 R2.2 ; R2.2 97.31,185.39 v1(98.4,184.3) ; R2.2 96.01,184.3 v1(95.7,184.3) ; R2.2 96.01,185.39 v1(95.7,185.7) ; R2.2 97.1,184.85 v1(97.6,184.35) ; R2.2 97.1,184.5 v1(96.9,184.3)
  Top w0.199: R8.1 95.1,186.3 v1(95.7,185.7)
  Top w0.25: 94.25,121.03 94.25,124.18 ; C109.1 93.27,149.25 U26.2 87.58,149.25 C110.1 ; C8.1 C10.1 ; 94.3,120.71 94.3,121.16 95.8,122.66 ; 94.3,123.14 C4.1 C6.1 ; C5.1 87.53,133.85 U2.2 89.19,133.85 C9.1 ; 94.25,120.03 94.25,121.33 95.15,121.33 95.2,121.28 95.2,120.03
  Top w0.35: 97.6,185.45 v1(97.6,184.35) 97.6,185.7 ; 96,184.45 96,185.55 ; 95.77,185.6 95.99,185.39 R2.2 ; 95.74,185.6 95.84,185.7 v1(98.4,185.7) v1(98.4,184.3) v1(95.7,184.3) v1(95.7,185.7) ; 95.69,185.4 96.8,185.4 ; 96.5,184.45 96.5,185.55 ; 97.1,184.35 97.1,185.45 ; 96.3,184.45 96.3,185.55 ; 96.8,184.45 96.8,185.55 ; 97.4,184.35 97.4,185.45 ; 98.1,184.3 98.1,185.7 ; 97.5,184.35 97.5,185.45 ; 97.9,184.3 97.9,185.7
  Top w0.76: 92.1,132.18 92.1,133.83 ; 94.9,131.4 93.7,132.6 ; 94.9,131.4 v1(94.9,127) ; 94.9,131.4 94.9,147.79 C109.1 89.2,149.34 C121.1 ; 93.7,132.6 93.7,133.83 ; 93.7,132.6 93.7,132.18 ; 90.4,132.18 90.4,133.83 ; 94.55,125.5 95.45,125.5 ; C6.1 v1(94.2,126.4) 94.2,126.7 v1(94.4,126.9) 94.5,127 v1(94.9,127) ; 88.8,147.65 88.8,149.3 ; 93.3,132.08 93.3,133.73 ; 92.7,132.18 92.7,133.83 ; 94.55,125.8 95.45,125.8 ; 90.1,147.65 90.1,149.3 ; v1(94.9,127) v1(95.4,127) v1(95.8,126.6) C10.1 ; 92.7,147.65 92.7,149.3 ; 94.55,123.2 95.45,123.2 ; C110.1 C108.1 ; 91.5,147.65 91.5,149.3 ; 93.7,147.65 93.7,149.3 ; 92.2,147.65 92.2,149.3 ; 94.55,122.9 95.45,122.9 ; 91.6,132.18 91.6,133.83 ; 93.6,133.54 C11.1 C9.1 C5.1 C13.1 ; 94.55,124.4 95.45,124.4 ; 94.55,123.8 95.45,123.8 ; 90.8,147.65 90.8,149.3 ; v1(95.4,126.4) v1(94.7,126.4) 94.5,126.4 ; 89.8,132.18 89.8,133.83 ; 93.3,147.65 93.3,149.3 ; 94.55,125 95.45,125 ; 89.5,147.65 89.5,149.3 ; 91,132.18 91,133.83
  vias: v1(96.3,185.5) v1(96.3,184.9) v1(96.3,184.3) v1(96.9,185.5) v1(96.9,184.9) v1(97.5,185.5) v1(97.5,184.9)
